# KiCad board austin.kicad_pcb (continued)
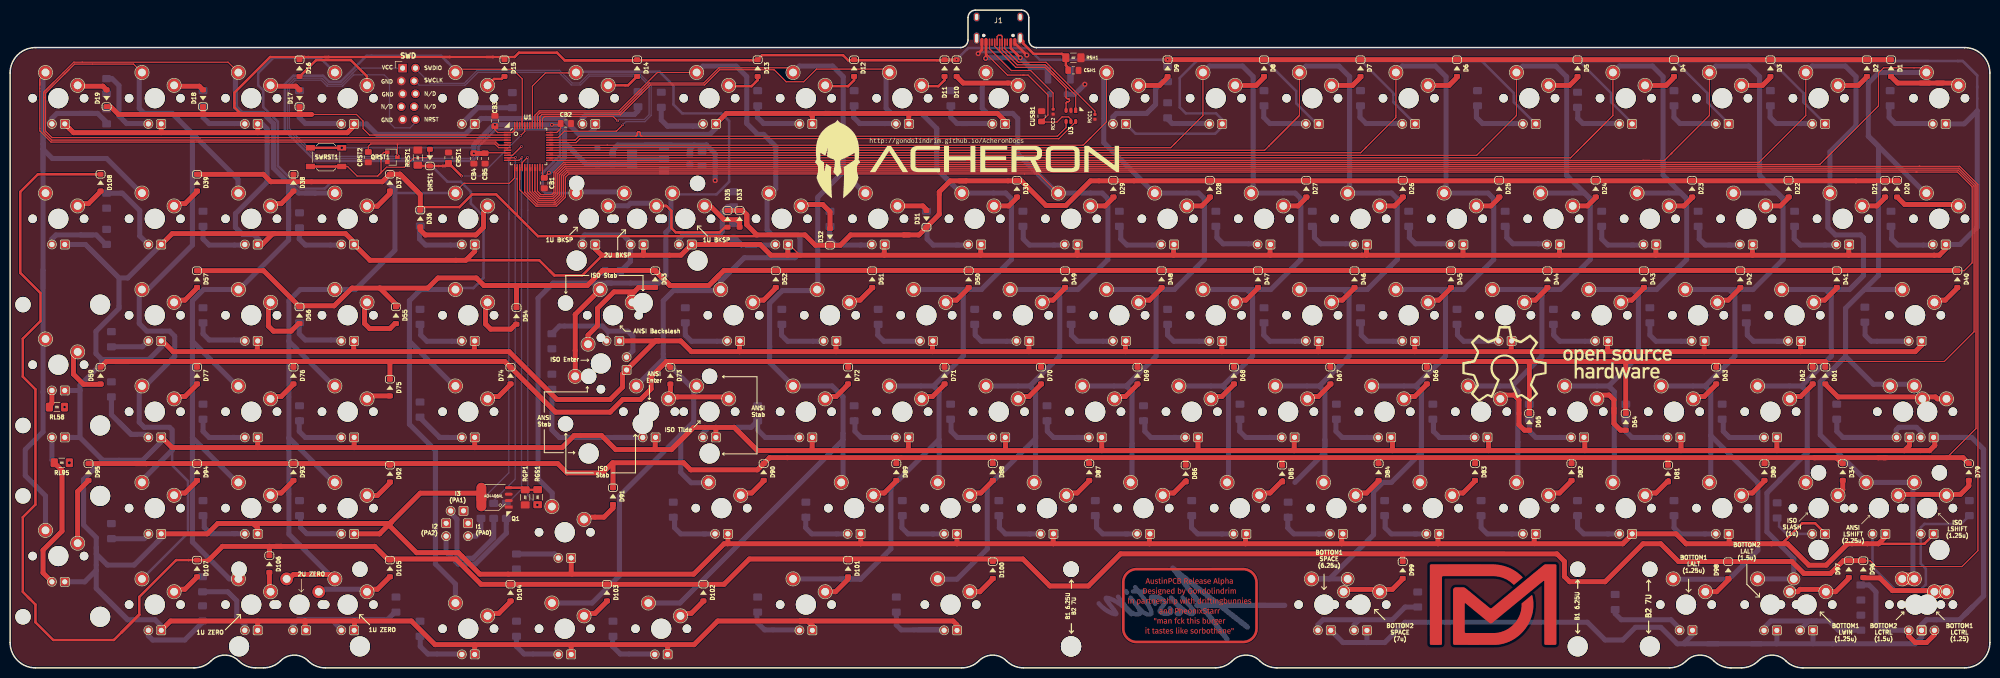
[diagram p0: board, top side]
## Routing (per net, layer and track width the routed paths; a pad name or vN(x,y) marks a point on that pad's centre or on a via; arc(x,y) is an arc through that point) (continued)
Col1: length 470.7
  Top w0.25: 109.66,99.45 109.53,99.45 ; 109.66,99.45 109.48,99.45 107.78,97.75 107.78,93.75 107.14,93.11 104.65,93.11 103.64,94.11 U1.21 ; 109.66,99.45 357.44,99.45 359.85,101.86 ; 359.85,101.86 369,111.01 369,117.51 370,118.51 377.75,118.51 378.46,117.8 SW1.1 ; 359.85,101.86 358.7,100.71
  Top w0.5: SW79.1 376.59,36.63 376.91,36.31
  Top w2.54: SW109.1 376,17.58
  Bottom w1: SW40.1 366.22,74.73 ; SW79.1 376.08,36.21 375.79,35.93 375.79,17.77 ; 362.5,61.51 368,56.01 376,56.01 ; 362.5,61.51 362.5,71.01 369,77.51 369,103.01 367,105.01 ; 362.5,61.51 357.5,56.51 357.5,46.01 366.5,37.01 ; 367,105.01 378.5,93.51 ; 367,105.01 367,115.51 369.08,117.59 SW1.1 ; SW58.1 376.43,36.63
Col2: length 437.1
  Top w0.25: 107.4,93.91 107,93.51 ; 107.4,93.91 106.98,93.49 104.81,93.49 104.14,94.15 U1.22 ; 107.4,93.91 107.4,97.91 109.34,99.85 134.14,99.85 ; 134.14,99.85 134.4,99.85 ; 134.14,99.85 345.41,99.85 354.65,109.09 SW2.1
  Bottom w1: 359.69,61.56 353.81,55.68 ; 353.81,55.68 SW62.1 ; 353.81,55.68 354.93,54.56 354.93,42.56 ; 359.69,61.61 359.69,73.61 358.57,74.73 ; SW2.1 355.92,118.86 362.46,118.86 364.56,116.76 364.56,107.07 359.41,101.92 SW21.1 ; SW21.1 359.41,92.92 359,92.51 359,87.01 360.5,85.51 365.5,85.51 366.03,84.98 366.03,77.48 363.28,74.73 SW41.1 ; SW21.1 359.41,93.52 ; 354.93,42.56 349.53,37.17 349.53,37.1 346.96,34.53 346.96,26.89 352.27,21.59 SW97.1 ; 354.93,42.56 354.93,37.04 ; SW110.1 352.25,17.58
Col3: length 423.1
  Top w0.25: SW3.1 335.6,109.09 328.21,101.7 ; U1.25 322.48,100.23 ; 322.48,100.23 323.72,100.23 ; 322.48,100.23 326.74,100.23 328.21,101.7 ; 327.97,101.47 328.21,101.7
  Bottom w1: 337.82,74.73 339.52,74.73 340.64,73.61 340.64,61.61 ; 337.82,74.73 344.23,74.73 350.16,80.66 350.16,92.66 ; 337.82,74.73 330.84,74.73 ; 334.76,55.68 335.88,54.56 335.88,45.87 ; 334.76,55.68 SW63.1 ; 334.76,55.68 340.64,61.56 ; SW22.1 349.05,93.78 350.16,92.66 ; 350.16,92.66 345.51,97.31 345.51,100.83 ; SW3.1 336.87,118.86 343.41,118.86 345.51,116.76 345.51,100.83 ; 345.51,100.83 345.51,99.02 ; 335.88,45.87 345.19,36.56 345.19,23.23 339.47,17.51 328.42,17.51 ; 335.88,45.87 335.88,36.94
Col4: length 364.6
  Top w0.25: SW4.1 316.55,109.09 315.23,107.78 ; U1.26 308.19,100.73 309.68,102.23 ; 309.68,102.23 315.23,107.78 ; 309.68,102.23 309.3,101.85 ; 315.23,107.78 310.82,103.37
  Bottom w1: 321.59,61.56 315.71,55.68 ; 315.71,55.68 SW64.1 ; 315.71,55.68 316.82,54.56 316.82,43.51 ; 318.77,74.73 325.18,74.73 331.11,80.66 331.11,92.66 ; 318.77,74.73 SW43.1 ; 318.77,74.73 320.47,74.73 321.59,73.61 321.59,61.61 ; 331.11,92.66 330,93.78 SW23.1 ; 331.11,92.66 326.46,97.31 326.46,100.37 ; SW4.1 317.82,118.86 324.36,118.86 326.46,116.76 326.46,100.37 ; 326.46,100.37 326.46,98.97 ; 316.82,43.51 316.82,36.31 ; 316.82,43.51 316.82,42.56
Col5: length 338.6
  Top w0.25: 290.96,102.55 297.5,109.09 SW5.1 ; 290.96,102.55 289.64,101.23 U1.27 ; 290.96,102.55 290.63,102.23
  Bottom w1: 312.06,92.66 312.06,80.66 306.13,74.73 299.72,74.73 ; 312.06,92.66 310.94,93.78 SW24.1 ; 312.06,92.66 307.46,97.26 307.41,97.26 307.41,116.76 305.31,118.86 298.77,118.86 SW5.1 ; 302.54,61.56 296.66,55.68 ; 296.66,55.68 SW65.1 ; 296.66,55.68 297.78,54.56 297.78,44.6 ; SW44.1 299.72,74.73 ; 302.54,61.61 302.54,73.61 301.42,74.73 299.72,74.73 ; 297.78,44.6 297.78,36.44 ; 297.78,44.6 297.78,42.56
Col6: length 354.2
  Top w0.25: 267.6,102.61 267.85,102.86 ; 267.85,102.86 266.72,101.73 U1.28 ; 267.85,102.86 273.69,108.69 SW6.1
  Top w1: 256.5,17.01 257.02,17.53 SW99.1
  Bottom w1: 280.67,74.73 282.37,74.73 283.49,73.61 283.49,61.61 ; 280.67,74.73 SW45.1 ; 280.67,74.73 287.08,74.73 293.01,80.66 293.01,92.66 291.9,93.78 SW25.1 ; 283.49,61.56 277.61,55.68 ; 277.61,55.68 SW66.1 ; 277.61,55.68 278.73,54.56 278.73,44.4 ; SW6.1 274.95,118.86 281.5,118.86 283.6,116.76 283.6,94.01 ; 258.68,17.58 264.25,17.58 ; 258.68,17.58 SW99.1 ; 258.68,17.58 260.57,17.58 269.28,26.29 269.28,34.79 271.12,36.63 272.79,36.63 278.73,42.56 278.73,44.4 ; 278.73,44.4 278.73,36.82
Col7: length 308.4
  Top w0.25: SW7.1 254.64,109.09 ; 254.64,109.09 248.91,103.37 ; 254.64,109.09 248.63,103.08 ; 248.63,103.08 248.53,102.99 ; 248.63,103.08 247.78,102.23 U1.29
  Bottom w1: SW46.1 261.62,74.73 ; SW26.1 272.85,93.78 273.96,92.66 273.96,80.66 268.03,74.73 261.62,74.73 ; 264.44,61.56 258.56,55.68 ; 258.56,55.68 259.68,54.56 259.68,45.03 ; 258.56,55.68 SW67.1 ; 253.74,36.63 259.68,42.56 259.68,45.03 ; 261.62,74.73 263.32,74.73 264.44,73.61 264.44,61.61 ; SW7.1 255.9,118.86 262.45,118.86 264.55,116.76 264.55,94.01 ; 259.68,45.03 259.68,36.69
Col8: length 270.1
  Top w0.25: U1.30 229.22,102.73 230.2,103.71 ; 229.86,103.37 230.2,103.71 ; 230.2,103.71 235.59,109.09 SW8.1
  Bottom w1: 245.39,61.61 245.39,73.61 244.27,74.73 242.57,74.73 ; SW68.1 239.51,55.68 ; SW27.1 253.8,93.78 254.91,92.66 254.91,80.66 248.98,74.73 242.57,74.73 ; 239.51,55.68 245.39,61.56 ; 239.51,55.68 240.62,54.56 240.62,37.03 ; SW47.1 242.57,74.73 ; 245.5,94.01 245.5,116.76 243.4,118.86 236.85,118.86 SW8.1
Col9: length 248.7
  Top w0.25: 213.4,104.71 216.54,107.84 216.54,117.59 ; 213.4,104.71 211.92,103.23 U1.31 ; 213.4,104.71 212.44,103.75
  Bottom w1: 223.52,74.73 225.22,74.73 226.34,73.61 226.34,61.61 ; 223.52,74.73 229.93,74.73 235.86,80.66 235.86,92.66 234.75,93.78 SW28.1 ; 223.52,74.73 216.54,74.73 ; 220.46,55.68 SW69.1 ; 220.46,55.68 221.57,54.56 221.57,44.27 ; 220.46,55.68 226.34,61.56 ; 225.75,94.01 216,103.76 216,116.26 216.54,116.79 216.54,117.59 ; 221.57,44.27 221.57,36.31 ; 221.57,44.27 221.57,42.56
Col10: length 292.7
  Top w0.25: 206.8,93.91 203.16,97.55 110.34,97.55 109.68,96.89 109.68,92.96 107.91,91.2 103.87,91.2 100.64,94.43 U1.15 ; SW10.1 192.22,117.59 ; SW10.1 192.72,117.79 192,118.51 192.1,118.41 ; SW10.1 192.72,117.23 ; 100.64,96.45 100.64,98.51
  Bottom w0.25: 207,93.51 207.5,93.51 ; 207.29,61.61 207.29,61.56
  Bottom w1: 201.41,55.68 202.53,54.56 202.53,45.87 ; 201.41,55.68 SW70.1 ; 201.41,55.68 207.29,61.56 ; SW49.1 204.47,74.73 ; 207.29,61.61 207.29,73.61 206.17,74.73 204.47,74.73 ; SW29.1 215.69,93.78 216.81,92.66 216.81,80.66 210.88,74.73 204.47,74.73 ; 183,17.51 187,17.51 193,23.51 193,35.76 202.53,45.29 202.53,45.87 ; 202.53,45.87 202.53,43.89 ; 202.53,43.89 202.53,36.6 ; 202.53,43.89 202.53,42.56 ; SW10.1 192.72,115.79 192,115.07 192,110.51 193,109.51 198,109.51 199,108.51 199,101.51 207,93.51
Col11: length 269.3
  Top w0.25: U1.38 104.64,107.9 ; 104.64,107.9 104.64,108.9 104.99,109.25 120.56,109.25 126.44,115.13 137.16,115.13 140.16,118.13 150.88,118.13 153.25,115.76 156.75,115.76 159.25,118.26 172.5,118.26 173.17,117.59 SW11.1 172.67,117.59 172.5,117.76 ; 104.64,107.9 104.64,108.15 104.64,108.15
  Bottom w0.25: 167.88,17.58 167.95,17.51
  Bottom w1: 185.42,74.73 187.12,74.73 188.24,73.61 188.24,61.61 ; 185.42,74.73 191.83,74.73 197.76,80.66 197.76,92.66 196.65,93.78 SW30.1 ; 185.42,74.73 SW50.1 ; 163.95,17.51 167.95,17.51 173.95,23.51 173.95,35.59 183.48,45.11 ; 182.36,55.68 SW71.1 ; 182.36,55.68 183.48,54.56 183.48,45.11 ; 182.36,55.68 188.24,61.56 ; 183,106.51 180,109.51 174,109.51 173,110.51 173,116.51 173.67,117.18 SW11.1 ; 183,106.51 183,98.58 186.03,95.54 ; 183,106.51 183,101.56 ; SW101.1 167.88,17.58 ; 183.48,43.89 183.48,36.86 ; 183.48,43.89 183.48,42.56 ; 183.48,43.89 183.48,45.11 ; 183.59,97.99 186.03,95.54 ; 186.03,95.54 188.12,93.46
Col12: length 229.2
  Top w0.25: SW12.1 154.42,117.59 ; SW12.1 154.62,117.64 153.75,118.51 140,118.51 137,115.51 126.29,115.51 120.41,109.63 104.66,109.63 104.14,109.11 U1.39 ; SW12.1 153.92,117.59 153.5,118.01
  Bottom w1: 164.54,97.99 169.07,93.46 ; 164.54,97.99 164.54,116.76 162.44,118.86 155.89,118.86 SW12.1 ; 164.54,97.99 159.5,92.95 159.5,75.51 ; 150,63.51 150,72.01 152.5,74.51 159,74.51 ; 150,63.51 150,62.01 ; 150,63.51 150,60.3 SW72.1 162.33,55.68 164.5,53.51 164.5,46.31 ; 164.5,46.31 164.5,37.23 ; 164.5,46.31 164.5,45.01 132.31,12.81 SW102.1
Col13: length 226
  Top w0.25: SW13.1 127.83,117.59 120.25,110.01 104.5,110.01 103.64,109.15 103.64,107.83
  Bottom w1: SW13.1 136.84,118.86 143.39,118.86 145.49,116.76 145.49,107.52 147.64,105.37 148.83,105.37 151.21,102.98 151.21,94.65 150.02,93.46 ; 133.5,47.11 132.45,46.06 ; 132.45,46.06 135,48.61 135,54.51 135.57,55.08 SW114.1 ; 132.45,46.06 120.34,33.95 120.34,18.22 114.93,12.81 SW103.1 ; 132.45,46.06 132.45,38.61 134.49,36.56 138.05,36.56 ; 129,61.01 129,72.51 131,74.51 140.5,74.51 ; 129,61.01 SW73.1 ; 129,61.01 129,61.01 134.17,55.84 135.57,55.84 ; 149.5,93.01 149.5,86.51 150.5,85.51 155.5,85.51 156,85.01 156,82.01 155,81.01 145,81.01 140.33,76.34 SW52.1
Col14: length 185.1
  Top w0.25: 111.5,117.51 105.75,117.51 103.14,114.9 103.14,106.65
  Top w1: SW113.1 111.6,69.81 SW53.1
  Bottom w0.5: 131.5,93.51 139.5,93.51 142,96.01 142,108.01 140.5,109.51 132.75,109.51 131,111.26 131,115.01 128.25,117.76 112,117.76
  Bottom w1: 118.68,76 117.79,76 SW53.1 ; 118.68,76 107.25,76 104.27,73.01 104.27,37.33 107.06,34.53 107.06,31.86 ; 118.68,76 127.99,76 129.5,77.51 129.5,86.01 130.5,87.01 130.5,93.51
Col15: length 284.7
  Top w0.25: 88.92,117.59 SW15.1 88.33,117.59 88.99,118.25 99.22,118.25 101.14,116.33 U1.45 101.14,108.57
  Bottom w0.5: 81.63,100.14 91.36,100.14 92.5,101.27 92.5,102.96 95.91,106.38 108.32,106.38 108.62,106.08 108.62,101.23 105.17,97.78 105.17,94.34 105.73,93.78 SW35.1 ; 81.63,100.14 82.26,100.14 86.39,96.01 89,96.01 91,94.01 91,91.7 93.5,89.2 93.5,77.01 91.5,75.01 88.5,75.01 ; 81.63,100.14 60.26,100.14 54.25,106.15 54.25,115.26 55.95,116.96 61.8,116.96 63,115.76 65.25,115.76 70.38,120.89 85.12,120.89 86.5,119.51 ; 86,120.01 86.5,119.51 ; 86.5,119.51 88,118.01
  Bottom w1: SW54.1 81.08,74.73 78.86,72.51 78.86,64.51 ; 78.86,64.51 87.86,55.51 ; 78.86,64.51 78.86,48.11 84,42.97 84,20.51 87.95,16.56 87.95,13.06 ; 112.5,94.01 121,94.01
Col16: length 222.7
  Top w0.25: SW112.1 55.09,17.58 ; SW16.1 64.14,117.87 ; U1.13 99.64,96.75 98.6,95.71 89.6,95.71 88,94.11 ; 63.1,18.45 64.29,17.26
  Top w1: 63.1,18.45 55.96,18.45 55.09,17.58
  Bottom w0.5: SW16.1 61.22,120.51 52,120.51 49,117.51 49,115.04 50,114.04 50,110.75 52.88,107.87 52.88,99.12 57.35,94.66 62.15,94.66 63.5,96.01 74.5,96.01 ; SW36.1 76,93.78
  Bottom w1: 55.05,64.51 64.05,55.51 ; 55.05,64.51 55.05,72.51 57.27,74.73 SW55.1 68.22,74.73 76,82.51 76,94.51 74.5,96.01 ; 55.05,64.51 55.05,45.46 ; 55.05,45.46 55.05,26.41 64.05,17.41 ; 55.05,45.46 64.05,36.46
Col17: length 308.8
  Top w0.25: 6.62,113.51 6.62,112.35 ; 10.49,117.54 6.75,113.8 ; 8.5,115.55 6.63,113.68 ; 6.62,113.67 6.62,112.51 ; SW17.1 43.05,119.63 12.58,119.63 10.47,117.52 ; 6.62,112.8 6.62,105.85 8.24,104.23 U1.4
  Bottom w0.25: 45,55.51 45.5,55.51 ; 55,95.76 54.75,96.01
  Bottom w1: 36,45.46 36,64.51 ; 36,45.46 45,36.46 ; 36,45.46 36,24.87 43.29,17.58 SW106.1 ; SW37.1 60.27,93.78 ; 60.27,93.78 56.98,93.78 52,98.76 52,107.51 50,109.51 45.75,109.51 44.5,110.76 44.5,117.26 ; 60.27,93.78 58.27,93.78 ; 36,64.51 36,72.51 38.22,74.73 SW56.1 ; 36,64.51 45,55.51 ; 55,89.26 55,95.76 ; 55,89.26 55,90.51 ; 55,89.26 55,84.51 45,74.51
Col18: length 289.5
  Top w0.25: 7,107.51 7,113.51 10.74,117.25 ; 10.74,117.25 12.74,119.25 24.38,119.25 SW18.1 ; 10.74,117.25 11.7,118.21 ; U1.3 8.28,104.73 7,106.01 7,112.01
  Bottom w0.25: 25.5,74.01 26.03,74.54 SW57.1 ; SW94.1 26.03,36.54 ; 25.5,18.51 26,18.01 ; 25.5,116.51 26.03,117.04 SW18.1 ; 25.5,54.51 26.03,55.04 SW77.1 ; 36,105.51 32,109.51 ; 27,74.51 26.5,74.51
  Bottom w0.5: 26,17.51 35.12,26.63 35.12,36.89 32,40.01 32,43.01
  Bottom w1: 27,74.51 36,83.51 36,105.51 ; 26,37.01 32,43.01 32,47.01 31.5,47.51 26.5,47.51 25.5,48.51 25.5,54.51 ; 25.5,116.51 25.5,110.51 26.5,109.51 32,109.51 45,96.51 45,93.51 ; 25.5,74.01 25.5,68.01 27,66.51 31.5,66.51 32.5,65.51 32.5,61.51 26.5,55.51
Col19: length 244.7
  Top w0.25: 5.86,113.86 5.86,115.2 ; 5.86,116.1 5.86,115.2 ; 5.86,115.2 5.86,116.31 7.07,117.52 ; U1.6 96.53,103.23 95.91,103.85 8.08,103.85 5.86,106.07 5.86,113.85
  Top w1: 7.18,64.57 6.49,65.26
  Bottom w0.25: SW19.1 7.08,117.59 8,118.51 ; 6.5,92.51 6.98,92.99 SW108.1
  Bottom w1: 6.5,113.04 6.5,94.01 ; 6.5,92.51 6.5,78.51 ; 6.5,78.51 6.5,46.61 3,43.11 3,37.96 6.98,33.98 SW95.1 ; 6.5,78.51 6.5,75.01 ; 6.5,117.54 6.5,103.53 ; 6.5,103.53 6.5,102.44 8.33,100.6 19.05,100.6 26.19,93.46 ; 6.5,103.53 6.5,98.51
D+: length 105.5
  Top w0.25: U1.33 111.57,104.23 112.35,105.01 123.55,105.01 123.62,105.02 123.68,105.04 123.74,105.07 123.78,105.12 123.82,105.18 123.84,105.24 123.85,105.31 123.85,105.6 123.86,105.67 123.88,105.73 123.92,105.79 123.96,105.84 124.02,105.87 124.08,105.9 124.15,105.9 124.22,105.9 124.28,105.87 124.34,105.84 124.38,105.79 124.42,105.73 124.44,105.67 124.45,105.6 124.45,105.31 124.46,105.24 124.48,105.18 124.52,105.12 124.56,105.07 124.62,105.04 124.68,105.02 124.75,105.01 206.84,105.01 208.55,106.72 U3.4
D-: length 105.5
  Top w0.25: 210.38,107.76 207.13,104.51 112.55,104.51 111.78,103.73 U1.32
DBus+: length 27
  Top w0.25: 195.58,121.65 195.44,121.8 J1.A6 ; 195.58,121.65 197.17,120.07 ; 195.58,121.65 194.43,122.8 J1.B6 ; 197.17,120.07 198.63,118.61 204.37,118.61 208.55,114.42 208.55,112.71 208.56,112.64 208.58,112.58 208.62,112.52 208.66,112.47 208.72,112.44 208.78,112.42 208.85,112.41 208.95,112.41 209.02,112.4 209.08,112.38 209.14,112.34 209.18,112.3 209.22,112.24 209.24,112.18 209.25,112.11 209.24,112.04 209.22,111.98 209.18,111.92 209.14,111.87 209.08,111.84 209.02,111.82 208.95,111.81 208.85,111.81 208.78,111.8 208.72,111.78 208.66,111.74 208.62,111.7 208.58,111.64 208.56,111.58 208.55,111.51 208.55,110.04 ; 197.17,120.07 196.98,120.26
DBus-: length 26.2
  Top w0.25: 206.21,117.3 210.45,113.06 210.45,110.04 ; 206.21,117.3 205.88,117.62 ; 206.21,117.3 204.4,119.11 198.88,119.11 195.93,122.06 J1.B7 195.93,124.73 195.71,124.96 195.2,124.96 194.93,124.69 J1.A7
INDICATOR1: length 78.2
  Top w0.25: U1.10 99.22,101.23 101,103.01
  Bottom w0.25: 98.5,88.61 98.5,38.53 93,33.03 93,33.01 ; 98.5,88.61 98.5,89.99 ; 98.5,88.61 98.5,100.48 v2(101,102.98)
INDICATOR2: length 72.8
  Top w0.25: U1.12 100.5,100.23 v2(101.09,100.83)
  Bottom w0.25: 101,100.1 101,90.51 101,35.26 98.25,32.51 ; 101,100.1 101,100.26 ; 101,100.1 101,100.73 v2(101.09,100.83)
INDICATOR3: length 71.4
  Top w0.25: v2(99.82,100.83) 99.73,100.73 U1.11
  Bottom w0.25: 99.75,100.76 99.75,90.51 99.75,37.28 95.5,33.03 95.5,32.76
LED_PWM: length 72.1
  Top w0.25: U1.16 101.14,99.79 v2(102.18,100.83)
  Bottom w0.25: 102.25,96.16 102.25,34.06 v1(104.13,32.18) ; 102.25,96.16 102.25,100.7 ; 102.25,96.16 102.25,96.51
NRST: length 101.6
  Top w0.25: 76.49,103.47 QRST1.3 ; U1.7 96.49,102.73 95.75,103.47 71.21,103.47 70.75,103.01 70.75,102.01
  Bottom w0.25: 62.63,114.87 62.5,115.01 ; 62.63,114.87 62.25,115.26 ; 62.63,114.87 62.5,115.01 ; 62.63,114.87 65.62,114.87 67.87,117.12 73.89,117.12 74.93,116.08 74.93,107.69 75.95,106.67 78.99,106.67 80.01,107.68 80.01,108.19 ; 62.25,115.26 61.43,116.07 56.32,116.07 55.14,114.89 55.14,106.52 59.32,102.33 ; 62.25,115.26 62.5,115.01 ; v2(76.5,101.26) 76.27,101.02 60.63,101.02 59.32,102.33 ; 59.32,102.33 59.2,102.46
Row1: length 446.4
  Top w0.25: 96.86,120.65 97.09,120.65 D15.1 ; D19.1 19.85,110.86 ; 59.55,109.31 68.4,109.31 69.7,108.01 69.7,106.51 70.98,105.23 U1.2
  Top w0.5: 187.3,120.11 v2(186.9,120.11) D11.1 ; 94.14,120.65 95.39,120.65 ; 95.39,120.65 86.86,120.65 ; 95.39,120.65 97.36,120.65 ; 109.5,120.01 108,121.51 100.5,121.51 99.64,120.65 97.36,120.65 ; 109.5,120.01 147.5,120.01 148.5,121.01 164.5,121.01 165.5,120.01 186.93,120.01 ; 109.5,120.01 122.8,120.01 ; 97.36,120.65 96.86,120.65 ; 58.15,120.65 57.74,120.65 57.15,120.06 ; 58.15,120.65 51.34,120.65 44.3,113.61 44.3,110.71 45.7,109.31 ; 58.15,120.65 62.91,120.65 ; 86.86,120.65 85.64,120.65 ; 86.86,120.65 62.91,120.65 ; 62.91,120.65 62.14,120.65 ; 59.5,109.36 59.55,109.31
  Top w1: 57.2,110.86 57.2,109.31 ; 228.5,120.11 v2(228.6,120.11) D1.1 ; 19.85,110.86 21.4,109.31 59.55,109.31 ; D18.1 38.1,109.31
  Bottom w0.5: v2(186.9,120.11) 188.95,122.16 188.98,122.16 189.23,122.42 201.04,122.42 203.34,120.11 v2(228.6,120.11)
Row2: length 394.4
  Top w0.25: 77.2,97.71 77,97.51 ; 147.5,85.51 147.25,85.26 ; 100.14,96.65 U1.14 100.14,98.65 100.14,98.65 ; 100.14,96.65 100.14,89.51 ; 100.14,96.65 100.14,96.45 ; 78.8,95.71 78.4,96.11 ; 183.5,89.57 183.5,94.01
  Top w0.5: 80.75,91.01 88.75,91.01 91.25,93.51 96,93.51 104.25,85.26 147.25,85.26
  Top w1: 143.16,90.35 142,90.35 ; 143.16,90.35 144.66,90.35 145.5,89.51 145.5,87.51 ; 143.16,90.35 D33.1 ; 372.98,96.19 213.38,96.19 208.5,91.31 204.6,91.31 199.72,96.19 188.82,96.19 ; 77,97.51 81,93.51 D36.1 ; 77,97.51 80.5,94.01 ; 77,97.51 75,97.51 73.5,96.01 51.5,96.01 50.02,97.49 D39.1 ; 181,87.01 179.5,85.51 176.5,85.51 ; 188.82,96.19 187.48,96.19 ; 188.82,96.19 185.68,96.19 183.5,94.01 183.5,89.57 D31.1 ; D38.1 55.96,96.01 ; 145.5,87.51 145.5,89.01 ; 145.5,87.51 147.5,85.51 157,85.51 159.03,83.47 D32.1 163.97,83.47 166,85.51 176.5,85.51 ; 176.5,85.51 177.5,85.51
Row3: length 688.5
  Top w0.25: 376.42,97.93 110.11,97.93 109.3,97.12 109.3,93.12 107.76,91.58 107.44,91.58 107.43,91.59 104.02,91.59 101.64,93.96 U1.17 ; 376.42,97.93 376.65,97.93 ; 376.42,97.93 384.58,97.93 387.5,95.01 387.5,80.01 385.93,78.44 D40.1
  Top w1: 73,75.01 82.5,75.01 84.5,77.01 92.09,77.01 93.59,75.51 114,75.51 117,78.51 127.33,78.51 130.33,75.51 ; 73,75.01 76.5,71.51 ; 73,75.01 67.5,75.01 64,71.51 57,71.51 50.07,78.44 D57.1 ; D54.1 100,75.51 ; 130.33,75.51 138,75.51 139.9,77.41 ; 130.33,75.51 D53.1 ; 139.9,77.41 141,78.51 384.5,78.51 ; 139.9,77.41 139,76.51
Row4: length 751.3
  Top w0.25: 360.6,60.51 382,60.51 387.88,66.39 387.88,95.17 384.74,98.31 109.95,98.31 108.92,97.28 108.92,93.28 107.6,91.96 107.59,91.97 104.18,91.97 102.14,94 U1.18 ; 360.6,60.51 358.5,60.51 ; 360.6,60.51 360,60.51
  Top w1: 337,59.39 337,60.51 ; D67.1 260.75,60.51 ; D68.1 241.7,60.51 ; D69.1 222.65,60.51 ; D70.1 203.6,60.51 ; D71.1 184.55,60.51 ; D72.1 165.5,60.51 ; D76.1 55.96,60.51 ; 36.9,60.53 36.9,59.41 ; D61.1 358.5,60.51 129.6,60.51 ; D66.1 279.8,60.51 ; D65.1 300.04,60.51 ; 23.5,60.51 19,60.51 18,59.51 ; 23.5,60.51 20.63,60.51 ; 23.5,60.51 97.7,60.51 107.7,50.51 118.5,50.51 121,53.01 124.5,53.01 126.6,55.11 126.6,57.51 129.6,60.51 ; D73.1 129.6,60.16 129.6,60.51 ; D64.1 319.09,60.51 ; D75.1 75.01,60.51 ; D62.1 356,60.51
Row5: length 769.5
  Top w0.25: 379.1,41.51 378.5,41.51 ; 379.1,41.51 382.5,41.51 388.26,47.27 388.26,95.32 384.89,98.69 109.79,98.69 108.54,97.44 108.54,93.44 107.45,92.35 104.33,92.35 102.64,94.04 U1.19 ; 379.1,41.51 377.18,41.51 ; 119.06,40.45 119,40.51 ; 377.18,41.51 375.67,41.51 ; 377.18,41.51 370.07,41.51
  Top w1: 194,40.34 194,41.51 ; 213,40.34 213,41.51 ; 232.2,40.11 232.2,41.28 ; 251.2,40.11 251.2,41.28 ; 270.2,40.31 270.2,41.48 ; 289.4,40.31 289.4,41.48 ; 308.4,40.31 308.4,41.48 ; 327.4,40.11 327.4,41.28 ; 346.6,40.31 346.6,41.48 ; 386.72,40.5 385.71,41.51 368.94,41.51 ; 26.92,40.34 24.83,40.34 ; 26.92,40.34 26.92,40.34 D95.1 ; 26.92,40.34 D94.1 108.17,40.34 110,38.51 117,38.51 119,40.51 133,40.51 134.4,39.11 147.6,39.11 150,41.51 356.34,41.51 ; 356.34,41.51 360.69,41.51 361.9,40.3 ; 356.34,41.51 368.94,41.51 ; 370.59,41.51 368.94,41.51 ; D91.1 119.06,40.45 ; D89.1 175.02,41.51
Row6: length 916.6
  Top w0.25: 377.06,99.07 385.05,99.07 388.64,95.48 388.64,23.15 385.5,20.01 368.5,20.01 ; 377.06,99.07 109.63,99.07 108.16,97.59 108.16,93.59 107.29,92.73 104.49,92.73 103.14,94.08 U1.20 ; 377.06,99.07 377.2,99.07 ; 368.5,20.01 367.5,21.01 ; 368.5,20.01 367.35,21.16 D96.1 ; D100.1 194.07,21.51 ; 37.22,21.29 35.22,21.29
  Top w0.5: D107.1 39.22,21.29 32.78,21.29 25.5,14.01 25.5,10.51 ; 3.5,14.01 5,12.51 5,9.01 8.5,5.51 20.5,5.51 25.5,10.51 ; D108.1 5.48,97.49 2,94.01 2,78.01 6,74.01 6,68.51 2.5,65.01 2.5,57.51 5,55.01 5,32.25 2.5,29.75 2.5,15.01 4,13.51 ; 25.5,10.51 22,7.01 ; 25.5,10.51 22.05,7.06
  Top w1: 52.5,24.01 53.5,24.01 ; 53.5,24.01 41.94,24.01 39.22,21.29 ; 53.5,24.01 72,24.01 74.5,21.51 88,21.51 93,16.51 141,16.51 146,21.51 200.01,21.51 205.34,16.17 212.96,16.17 219.31,22.52 305.5,22.51 306.97,21.04 306.97,18.04 308,17.01 315,17.01 322.5,24.51 326,24.51 329.5,21.01 351.9,21.01 354.25,18.66 359.53,18.66 362.04,21.16 D96.1 ; D106.1 51.2,24.01 ; D99.1 275.03,22.51
SWCLK: length 80.5
  Top w0.25: U1.37 105.14,108.51 105.5,108.87 119.14,108.87 v2(120,108.01)
  Bottom w0.25: 90.38,115.6 89.85,115.07 80.78,115.07 79.93,115.92 ; 90.38,115.6 90.16,115.38 ; 90.38,115.6 92.41,117.63 108.34,117.63 110.84,115.13 112.66,115.13 114.4,116.87 124.3,116.87 126.2,114.97 126.2,109.25 125.26,108.31 120.3,108.31 v2(120,108.01) ; 80.57,115.38 80.01,115.94
SWDIO: length 79.7
  Top w0.25: v2(121,107.26) 119.75,106.01 109.5,106.01 108.22,104.73 U1.34
  Bottom w0.25: 90.17,115.93 92.25,118.01 108.5,118.01 111,115.51 112.5,115.51 114.24,117.25 124.46,117.25 126.6,115.11 126.6,109.11 125.38,107.88 121.63,107.88 v2(121,107.26) ; 90.17,115.93 90,115.76 ; 90.17,115.93 89.69,115.45 82.94,115.45 79.93,118.46
Net-(CSH1-Pad2): length 13.1
  Top w0.5: J1.S 200.08,123.76 200.08,123.33 202.13,121.27 207.75,121.27 208.51,120.51 RSH1.1 208.51,119 209,118.51
Net-(D1-Pad2): length 17.9
  Top w0.25: SW1.2 383.96,115.05
  Top w1: 385.05,115.51 380.56,115.51 ; 379,115.51 372.78,115.51 D1.2 ; 379,115.51 377.3,115.51 ; 379,115.51 381.79,115.51
Net-(D2-Pad2): length 6.1
  Top w1: 366.5,116.51 365.04,115.05 SW2.2
Net-(D3-Pad2): length 6.2
  Top w1: SW3.2 346.1,115.05 347.56,116.51
Net-(D4-Pad2): length 6.2
  Top w1: 328.51,116.51 327.05,115.05 SW4.2
Net-(D5-Pad2): length 6.2
  Top w1: 309.46,116.51 308,115.05 SW5.2
Net-(D6-Pad2): length 6.2
  Top w1: SW6.2 284.19,115.05 285.65,116.51
Net-(D7-Pad2): length 6.2
  Top w1: 266.6,116.51 265.14,115.05 260.99,115.05
Net-(D8-Pad2): length 6.2
  Top w1: SW8.2 246.09,115.05 247.55,116.51
Net-(D9-Pad2): length 6.2
  Top w1: 228.5,116.51 227.04,115.05 SW9.2
Net-(D10-Pad2): length 13.1
  Top w0.25: 199,115.51 199.07,115.44 SW10.2
  Top w1: D10.2 188.23,115.51 199,115.51
Net-(D11-Pad2): length 6
  Top w0.5: D11.2 184.55,116.08 183.36,114.89 179.78,114.89
Net-(D12-Pad2): length 7.2
  Top w0.5: 166.69,116.81 166.69,116.08 165.5,114.89 160.73,114.89
Net-(D13-Pad2): length 7.2
  Top w0.5: 141.68,114.89 146.45,114.89 147.64,116.08 D13.2
Net-(D14-Pad2): length 6
  Top w0.5: 123.5,116.51 122.04,115.05 SW14.2
Net-(D15-Pad2): length 3.9
  Top w0.5: SW15.2 95.57,116.32 97.06,116.32 97.5,116.76
Net-(D16-Pad2): length 17.9
  Top w0.5: SW16.2 70.48,116.85 67.31,120.02 60.41,120.02 57.1,116.71
Net-(D17-Pad2): length 6.3
  Top w1: D17.2 56.42,114.89 51.2,114.89
Net-(D18-Pad2): length 6.3
  Top w1: 32.15,114.89 37.37,114.89 D18.2
Net-(D19-Pad2): length 6.3
  Top w1: D19.2 18.32,114.89 13.1,114.89
Net-(D20-Pad2): length 16
  Top w1: 373,92.69 374.18,91.51 379.05,91.51 ; 375,91.51 379.05,91.51 ; 379.05,91.51 384.5,91.51
Net-(D21-Pad2): length 5.4
  Top w1: 370.45,93.01 368.68,91.24 SW21.2
Net-(D22-Pad2): length 5.4
  Top w1: SW22.2 349.63,91.24 351.4,93.01
Net-(D23-Pad2): length 5.4
  Top w1: SW23.2 330.58,91.24 332.35,93.01
Net-(D24-Pad2): length 5.4
  Top w1: SW24.2 311.53,91.24 313.3,93.01
Net-(D25-Pad2): length 5.4
  Top w1: SW25.2 292.48,91.24 294.25,93.01
Net-(D26-Pad2): length 5.4
  Top w1: 275.2,93.01 273.43,91.24 SW26.2
Net-(D27-Pad2): length 5.4
  Top w1: SW27.2 254.38,91.24 256.15,93.01
Net-(D28-Pad2): length 5.4
  Top w1: SW28.2 235.33,91.24 237.1,93.01
Net-(D29-Pad2): length 6.6
  Top w0.25: 213.8,91.81 213,91.01
  Top w1: 218.05,93.01 216.28,91.24 SW29.2
Net-(D30-Pad2): length 5.4
  Top w1: 199,93.01 197.23,91.24 SW30.2
Net-(D31-Pad2): length 6
  Top w1: 181,90.51 180.27,91.24 SW31.2
Net-(D32-Pad2): length 9.3
  Top w0.25: 161.93,87.37 D32.2
  Top w1: 156.5,91.51 160.5,91.51 161.93,90.08 161.93,87.37
Net-(D33-Pad2): length 8.7
  Top w1: 137.5,91.01 138.5,91.01 141,88.51 143.5,88.51 144.07,87.94 D33.2
Net-(D34-Pad2): length 3.1
  Top w1: D34.2 361.95,35.18 361.07,34.3
Net-(D35-Pad2): length 29.6
  Top w0.25: 126.75,91.76 127.27,91.24 SW34.2 ; 141.15,87.01 141.75,87.01